# Altium PCB driver.PcbDoc
Units mm, origin at the board's own origin, x right, y up, seen from the top; angles counter-clockwise.
Board outline 100.28 x 50.27 mm, 2 copper layers (Top Layer, Bottom Layer), stack 0.771 mm thick; 123 components, 187 nets, 428 pads, 125 vias.
Unrouted connection lines stored in the file: 1.
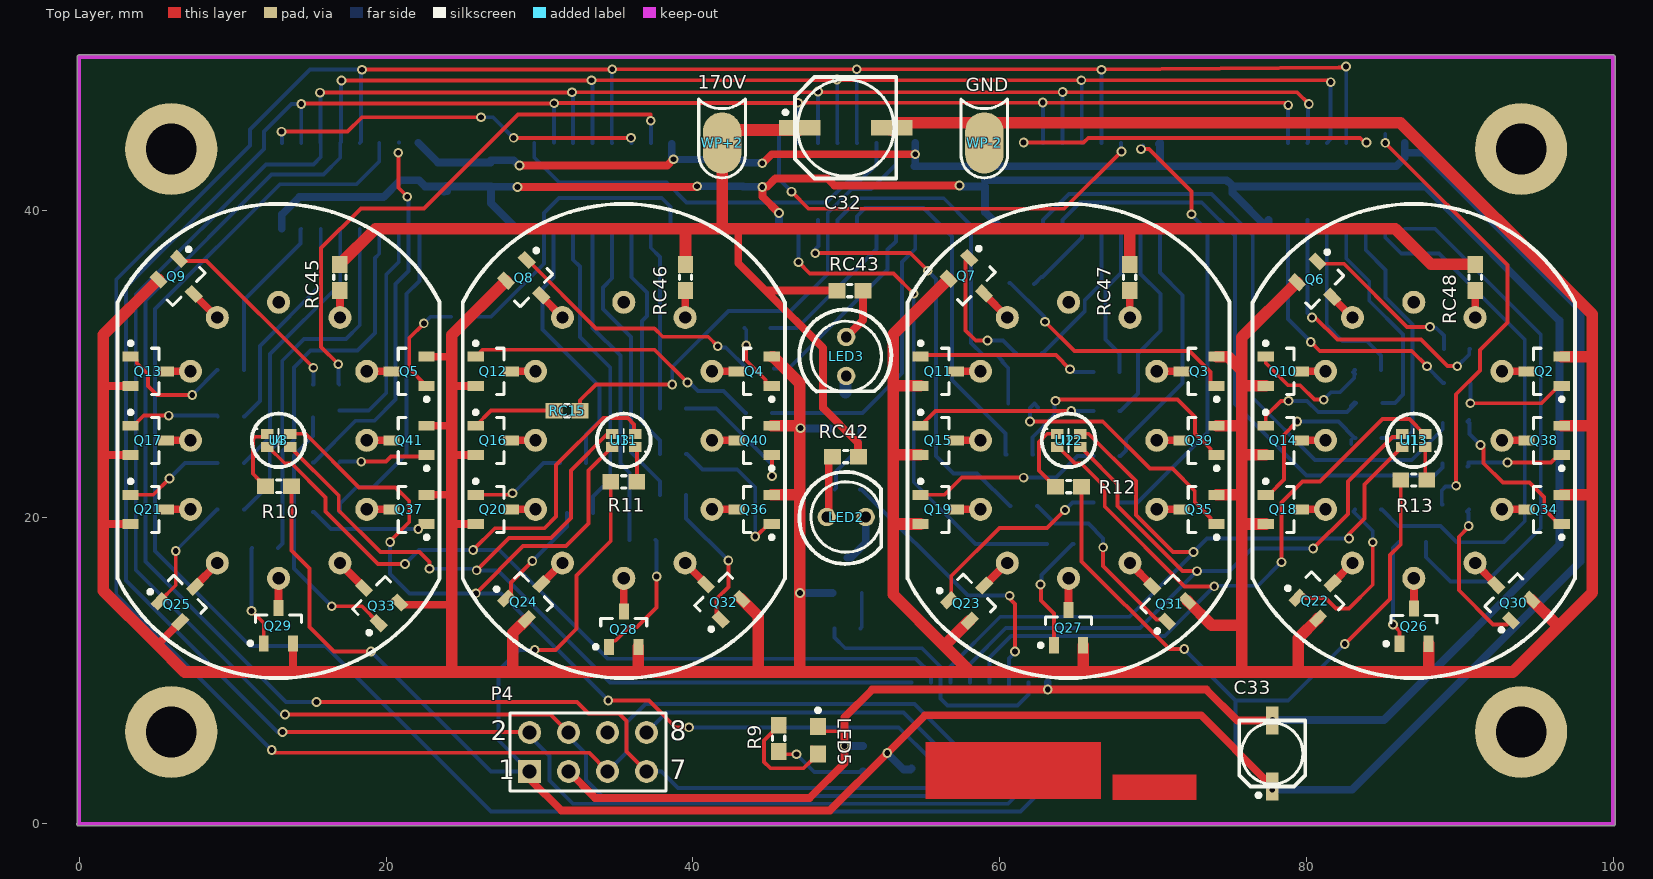
[diagram p0: Top Layer view]
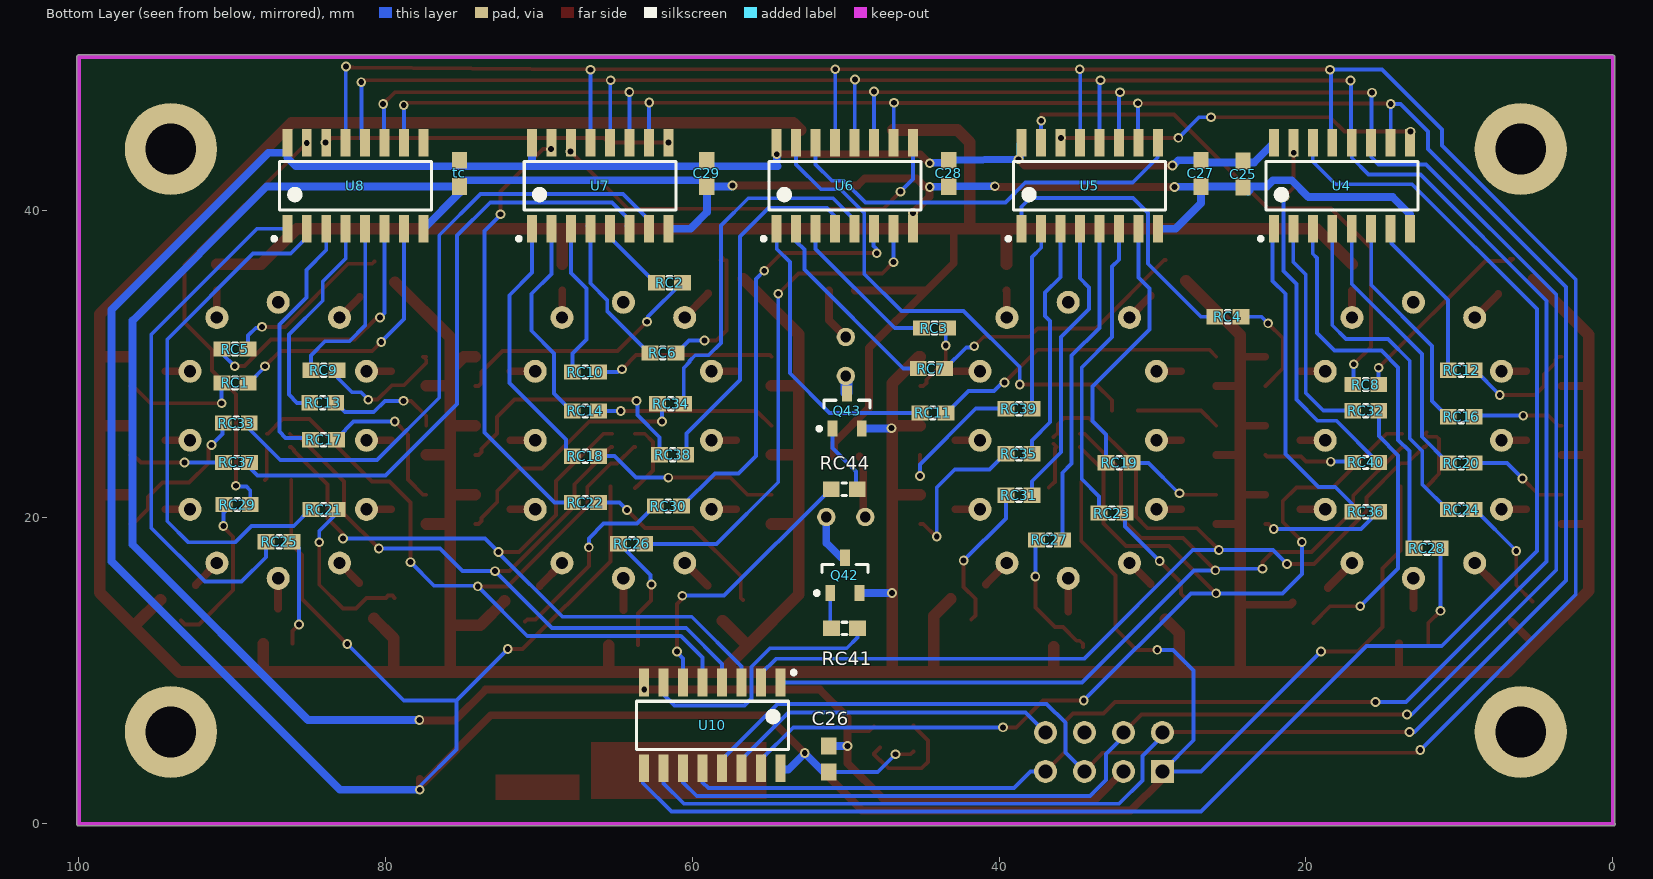
[diagram p1: Bottom Layer view, seen from below]
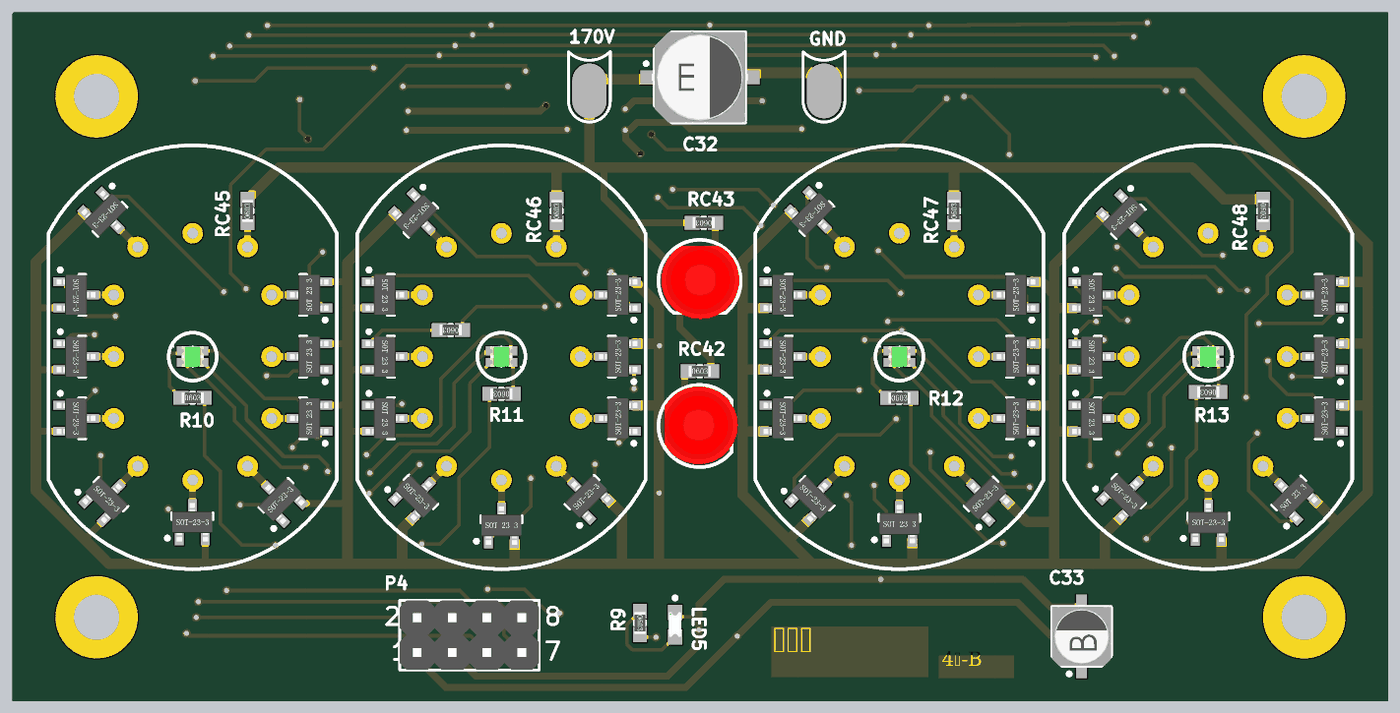
[diagram p2: 3D render of the assembled board from above, using the file's embedded part models]
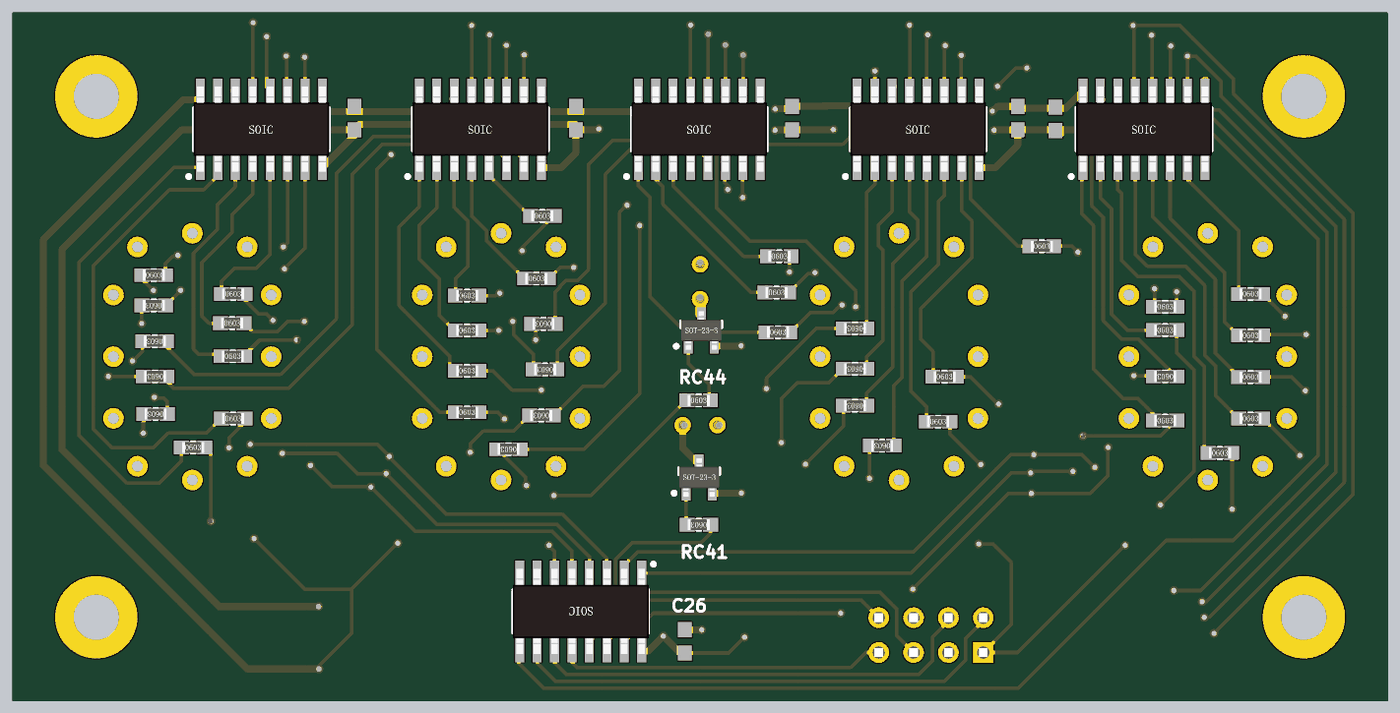
[diagram p3: 3D render of the assembled board from below, using the file's embedded part models]

## Layer stack, top to bottom
Top Solder: solder mask 0.0102, Solder Resist, Dk 3.5
Top Layer: signal copper 0.0356
Dielectric 1: dielectric 0.7, FR-4, Dk 4.8
Bottom Layer: signal copper 0.0356
Bottom Solder: solder mask 0.0102, Solder Resist, Dk 3.5

## Board outline
-0.025,-0.127 cw(c-0.025,0) -0.127,0.076 -0.127,50 cw(c0,50) -0.127,50.006 cw(c0,50.013) 0,50.14 100,50.14 cw(c100,50.013) 100.127,50.013 100.127,0 cw(c100,0) 99.987,-0.127 cw(c99.975,0) 99.975,-0.127

## Design rules (kind name [scope] priority, off if disabled: settings)
Clearance [All] p1: gap=0.178 ignorepadtopadclearanceinfootprint=FALSE
Height [All] p1: minheight=0 maxheight=50 prefheight=12.7
PolygonConnect [All] p1: connectstyle=Relief reliefconductorwidth=0.254 reliefentries=4 polygonreliefangle="90 Angle" airgapwidth=0.254
RoutingVias [All] p1: holewidth=0.381 width=0.305 viastyle="Through Hole" minholewidth=0.381 minwidth=0.635 maxholewidth=0.711 maxwidth=1.27
SolderMaskExpansion [All] p1: expansion=0.102
Width [All] p1: maxlimit=2.54 minlimit=0.203 preferedwidth=0.254
29 further rules are at their usual default settings.

## Classes and differential pairs
component class Sheet1: C25 C26 C27 C28 C29 C32 C33 I1 I2 LED2 LED3 LED5 P4 Q2 Q3 Q4 Q5 Q6 Q7 Q8 Q9 Q10 Q11 Q12 Q13 Q14 Q15 Q16 Q17 Q18 Q19 Q20 Q21 Q22 Q23 Q24 Q25 Q26 Q27 Q28 Q29 Q30 Q31 Q32 Q33 Q34 Q35 Q36 Q37 Q38 Q39 Q40 Q41 Q42 Q43 R9 R10 R11 R12 R13 RC1 RC2 RC3 RC4 RC5 RC6 RC7 RC8 RC9 RC10 RC11 RC12 RC13 RC14 RC15 RC16 RC17 RC18 RC19 RC20 RC21 RC22 RC23 RC24 RC25 RC26 RC27 RC28 RC29 RC30 RC31 RC32 RC33 RC34 RC35 RC36 RC37 RC38 RC39 RC40 RC41 RC42 RC43 RC44 RC45 RC46 RC47 RC48 tc U3 U4 U5 U6 U7 U8

## Components (designator, comment, footprint, x,y, rotation, side; value= is the part's Value field where it differs from the comment)
C25 "226" CAPC1608[0603] 24.105,42.367 r270 bottom
C26 "226" CAPC1608[0603] 51.105,4.242 r90 bottom
C27 "226" CAPC1608[0603] 26.848,42.418 r270 bottom
C28 "226" CAPC1608[0603] 43.282,42.418 r270 bottom
C29 "226" CAPC1608[0603] 59.055,42.418 r270 bottom
C32 "2.2uF" CAPS6.3 49.965,45.39 r0 top locked
C33 "10uF" CAPS4 77.775,4.597 r90 top locked
I1 "IN-12" Nixie_IN12-hole 87,25.013 r0 top
I2 "IN-12" Nixie_IN12-hole 64.5,25.013 r0 top
I3 "IN-12" Nixie_IN12-hole 35.5,25.013 r0 top
I4 "IN-12" Nixie_IN12-hole 13,25.013 r0 top
LED2 "LED 5R" LED-R5-H9-SINGLE-R 48.73,20.013 r0 top locked
LED3 "LED 5R" LED-R5-H9-SINGLE-R 50,31.75 r270 top locked
LED5 "Red" LEDC1608(0603) 48.158,5.461 r270 top
P4 "Header 4X2" HDR2X4 29.362,3.429 r0 top locked
Q2 "0.2A 400V" SOT23 95.5,29.513 r180 top
Q3 "0.2A 400V" SOT23 73,29.513 r180 top
Q4 "0.2A 400V" SOT23 44,29.513 r180 top
Q5 "0.2A 400V" SOT23 21.5,29.513 r180 top
Q6 "0.2A 400V" SOT23 80.874,35.179 r315 top
Q7 "0.2A 400V" SOT23 58.166,35.407 r315 top
Q8 "0.2A 400V" SOT23 29.312,35.28 r315 top
Q9 "0.2A 400V" SOT23 6.655,35.357 r315 top
Q10 "0.2A 400V" SOT23 78.5,29.513 r0 top
Q11 "0.2A 400V" SOT23 56,29.513 r0 top
Q12 "0.2A 400V" SOT23 27,29.513 r0 top
Q13 "0.2A 400V" SOT23 4.5,29.513 r0 top
Q14 "0.2A 400V" SOT23 78.5,25.013 r0 top
Q15 "0.2A 400V" SOT23 56,25.013 r0 top
Q16 "0.2A 400V" SOT23 27,25.013 r0 top
Q17 "0.2A 400V" SOT23 4.5,25.013 r0 top
Q18 "0.2A 400V" SOT23 78.5,20.513 r0 top
Q19 "0.2A 400V" SOT23 56,20.513 r0 top
Q20 "0.2A 400V" SOT23 27,20.513 r0 top locked
Q21 "0.2A 400V" SOT23 4.5,20.513 r0 top
Q22 "0.2A 400V" SOT23 80.899,14.884 r45 top
Q23 "0.2A 400V" SOT23 58.191,14.732 r45 top locked
Q24 "0.2A 400V" SOT23 29.312,14.833 r45 top locked
Q25 "0.2A 400V" SOT23 6.731,14.656 r45 top
Q26 "0.2A 400V" SOT23 87.02,12.903 r90 top
Q27 "0.2A 400V" SOT23 64.5,12.801 r90 top
Q28 "0.2A 400V" SOT23 35.5,12.7 r90 top
Q29 "0.2A 400V" SOT23 12.979,12.928 r90 top
Q30 "0.2A 400V" SOT23 93.193,14.757 r135 top
Q31 "0.2A 400V" SOT23 70.764,14.681 r135 top
Q32 "0.2A 400V" SOT23 41.681,14.808 r135 top
Q33 "0.2A 400V" SOT23 19.38,14.579 r135 top
Q34 "0.2A 400V" SOT23 95.5,20.513 r180 top
Q35 "0.2A 400V" SOT23 73,20.513 r180 top
Q36 "0.2A 400V" SOT23 44,20.513 r180 top
Q37 "0.2A 400V" SOT23 21.5,20.513 r180 top locked
Q38 "0.2A 400V" SOT23 95.5,25.013 r180 top
Q39 "0.2A 400V" SOT23 73,25.013 r180 top
Q40 "0.2A 400V" SOT23 44,25.013 r180 top
Q41 "0.2A 400V" SOT23 21.5,25.013 r180 top
Q42 "0.2A 400V" SOT23 50.063,16.205 r90 bottom
Q43 "0.2A 400V" SOT23 49.911,26.924 r90 bottom
R9 "1k" RESC1608[0603] 45.593,5.588 r270 top
R10 "620R" RESC1608[0603] 13,22.013 r0 top
R11 "620R" RESC1608[0603] 35.5,22.301 r180 top
R12 "620R" RESC1608[0603] 64.5,21.996 r0 top
R13 "620R" RESC1608[0603] 87,22.428 r180 top
RC1 "4.7K" RESC1608[0603] 89.814,28.753 r0 bottom
RC2 "4.7K" RESC1608[0603] 61.493,35.28 r180 bottom
RC3 "4.7K" RESC1608[0603] 44.221,32.334 r180 bottom
RC4 "4.7K" RESC1608[0603] 25.095,33.071 r180 bottom
RC5 "4.7K" RESC1608[0603] 89.814,30.962 r180 bottom
RC6 "4.7K" RESC1608[0603] 61.925,30.708 r180 bottom
RC7 "4.7K" RESC1608[0603] 44.425,29.692 r180 bottom
RC8 "4.7K" RESC1608[0603] 16.104,28.651 r180 bottom
RC9 "4.7K" RESC1608[0603] 84.023,29.591 r180 bottom
RC10 "4.7K" RESC1608[0603] 66.98,29.464 r180 bottom
RC11 "4.7K" RESC1608[0603] 44.323,26.797 r180 bottom
RC12 "4.7K" RESC1608[0603] 9.881,29.591 r180 bottom
RC13 "4.7K" RESC1608[0603] 84.099,27.457 r180 bottom
RC14 "4.7K" RESC1608[0603] 66.98,26.924 r180 bottom
RC15 "4.7K" RESC1608[0603] 31.801,26.949 r180 top
RC16 "4.7K" RESC1608[0603] 9.881,26.56 r180 bottom
RC17 "4.7K" RESC1608[0603] 84.049,25.044 r180 bottom
RC18 "4.7K" RESC1608[0603] 66.98,23.977 r180 bottom
RC19 "4.7K" RESC1608[0603] 32.182,23.546 r180 bottom
RC20 "4.7K" RESC1608[0603] 9.881,23.529 r180 bottom
RC21 "4.7K" RESC1608[0603] 84.023,20.498 r180 bottom
RC22 "4.7K" RESC1608[0603] 66.98,20.955 r180 bottom
RC23 "4.7K" RESC1608[0603] 32.651,20.269 r180 bottom
RC24 "4.7K" RESC1608[0603] 9.881,20.498 r180 bottom
RC25 "4.7K" RESC1608[0603] 86.944,18.389 r180 bottom
RC26 "4.7K" RESC1608[0603] 63.957,18.262 r0 bottom
RC27 "4.7K" RESC1608[0603] 36.728,18.516 r0 bottom
RC28 "4.7K" RESC1608[0603] 12.116,17.983 r180 bottom
RC29 "4.7K" RESC1608[0603] 89.676,20.828 r0 bottom
RC30 "4.7K" RESC1608[0603] 61.57,20.726 r0 bottom
RC31 "4.7K" RESC1608[0603] 38.71,21.437 r0 bottom
RC32 "4.7K" RESC1608[0603] 16.104,26.949 r180 bottom
RC33 "4.7K" RESC1608[0603] 89.738,26.136 r0 bottom
RC34 "4.7K" RESC1608[0603] 61.417,27.406 r0 bottom
RC35 "4.7K" RESC1608[0603] 38.71,24.13 r0 bottom
RC36 "4.7K" RESC1608[0603] 16.104,20.345 r180 bottom
RC37 "4.7K" RESC1608[0603] 89.713,23.571 r0 bottom
RC38 "4.7K" RESC1608[0603] 61.29,24.079 r0 bottom
RC39 "4.7K" RESC1608[0603] 38.71,27.076 r0 bottom
RC40 "4.7K" RESC1608[0603] 16.104,23.571 r0 bottom
RC41 "4.7K" RESC1608[0603] 50.089,12.751 r0 bottom
RC42 "200k" RESC1608[0603] 49.962,23.952 r0 top
RC43 "200k" RESC1608[0603] 50.241,34.772 r180 top
RC44 "4.7K" RESC1608[0603] 50.102,21.818 r180 bottom
RC45 "20k" RESC1608[0603] 16.993,35.636 r90 top
RC46 "20k" RESC1608[0603] 39.522,35.636 r90 top
RC47 "20k" RESC1608[0603] 68.478,35.636 r90 top
RC48 "20k" RESC1608[0603] 91.008,35.636 r270 top
tc "226" CAPC1608[0603] 75.184,42.418 r270 bottom
U3 "LED_RGB" LED-RGB-0603 13,25.013 r0 top
U4 "SN74HC595N" SOIC16 17.653,41.605 r90 bottom
U5 "SN74HC595N" SOIC16 34.106,41.605 r90 bottom
U6 "SN74HC595N" SOIC16 50.059,41.605 r90 bottom locked
U7 "SN74HC595N" SOIC16 66.013,41.605 r90 bottom locked
U8 "SN74HC595N" SOIC16 81.966,41.605 r90 bottom locked
U10 "SN74HC595N" SOIC16 58.699,6.426 r270 bottom locked
U11 "LED_RGB" LED-RGB-0603 35.5,25.013 r180 top
U12 "LED_RGB" LED-RGB-0603 64.5,25.013 r0 top
U13 "LED_RGB" LED-RGB-0603 87,25.013 r180 top
WP+2 "170V" WirePadSingleSide 14.56,44.399 r180 top
WP-2 "GND" WirePadSingleSide 31.654,44.399 r180 top

## Footprints (in the part's own frame and the unit in brackets; to place one, negate y for a bottom-side part, rotate by r counter-clockwise, add the part's x,y. Pads: shape width x height; smd on the part's side, far side on the other; paste and mask are expansions set on the pad)
CAPC1608[0603] [mm] "Chip Capacitor, 2-Leads, Body 1.60x0.80mm, IPC Medium Density"
  rect 1.1x1 smd: 1(-0.85,0) 2(0.85,0)
  body extent -0.88,-0.48 0.87,0.47, height 0.85
CAPS4 [mm] "Solid Electorlytic Capacitor, B-type Footprint, 4mm Diameter, 5.5mm Height"
  rect 1.8x0.8 smd: 1(-2.15,0) 2(2.15,0)
  silkscreen extent -2.85,-2.15 2.15,2.15, body extent -2.29,-2.16 2.31,2.14, height 5.2
CAPS6.3 [mm] "Solid Electorlytic Capacitor, E-type Footprint, 6.3mm Diameter, 5.5mm Height"
  rect 2.7x1 smd: 1(-3,0) 2(3,0)
  silkscreen extent -4.05,-3.3 3.3,3.3, body extent -3.5,-3.3 3.5,3.3, height 5.2
HDR2X4 [mm] "Connector; Header; 4x2 Position"
  rect 1.5x1.5 hole 0.9: 1(0,0)
  round 1.5 hole 0.9: 2(0,2.54) 3(2.54,0) 4(2.54,2.54) 5(5.08,0) 6(5.08,2.54) 7(7.62,0) 8(7.62,2.54)
  silkscreen extent -1.27,-1.27 8.89,3.81, body extent -1.27,-1.27 8.89,3.81, height 8.54
LED-R5-H9-SINGLE-R [mm]
  round 1.2 hole 0.7: 1(0,0) 2(2.54,0)
  silkscreen extent -1.78,-3.06 3.57,2.94, body extent -1.36,-2.85 3.99,2.85, height 1.5
LED-RGB-0603 [mm]
  rect 0.8x0.65 smd: 1(-0.75,0.425) 2(0.75,0.425) 3(-0.75,-0.425) 4(0.75,-0.425)
  silkscreen extent -1.42,-0.75 0,0.76, body extent -0.8,-0.75 0.8,0.75, height 0.55
LEDC1608(0603) [mm] "LED,Chip;1.60mm L X 0.80mm W X 0.80mm H"
  rect 1.1x1.05 smd: A(0.9,0) C(-0.9,0)
  silkscreen extent -2.07,-0.12 -1.83,0.13, body extent -0.9,-0.45 0.9,0.45, height 0.8
Nixie_IN12-hole [mm]
  round 1.5 hole 0.8: 1(4,8) 2(5.75,4.5) 3(5.75,0) 4(5.75,-4.5) 5(4,-8) 6(0,-9) 7(-4,-8) 8(-5.75,-4.5) 9(-5.75,0) 10(-5.75,4.5) 11(-4,8) 12(0,9)
  silkscreen extent -10.5,-15.5 10.5,15.42
RESC1608[0603] [mm] "Chip Resistor, 2-Leads, Body 1.60x0.82mm, IPC Medium Density"
  rect 1.1x1 smd: 1(-0.85,0) 2(0.85,0)
  silkscreen extent -0.15,-0.4 0.15,0.4, body extent -0.8,-0.4 0.8,0.4, height 0.45
SOIC16 [mm] "SOIC,1.27mm pitch;16 pin,3.90mm W X 9.90mm L X 1.65mm H body"
  rect 1.8x0.65 smd: 1(-2.8,4.445) 2(-2.8,3.175) 3(-2.8,1.905) 4(-2.8,0.635) 5(-2.8,-0.635) 6(-2.8,-1.905) 7(-2.8,-3.175) 8(-2.8,-4.445) 9(2.8,-4.445) 10(2.8,-3.175) 11(2.8,-1.905) 12(2.8,-0.635) 13(2.8,0.635) 14(2.8,1.905) 15(2.8,3.175) 16(2.8,4.445)
  silkscreen extent -3.57,-4.95 1.58,5.43, body extent -3.11,-4.95 3.11,4.95, height 1.75
SOT23 [mm] "SOT23, 3-Leads, Body 2.90x2.40mm, Pitch 0.95mm, IPC Medium Density"
  rect 1.05x0.65 smd: 1(-1.15,0.95) 2(-1.15,-0.95) 3(1.15,0)
  silkscreen extent -1.28,-1.5 0.7,1.95, body extent -1.4,-1.45 1.4,1.45, height 1.2
WirePadSingleSide [mm] "A single-side pad for soldering wire."
  oval 2.5x4 smd: 1(-27.35,0)
  silkscreen extent -28.87,-2.88 -25.83,2.27

## Part data
C25 C26 C27 C28 C29 tc: library part "Cap Chip 1", "Chip Capacitor, PSpice Model", Tolerance=Y5V, Voltage=3V, Price(RMB)=0.000, Published=8-Jun-2000, Publisher="Altium Limited", Revision="July-2002: Re-released for DXP Platform."
C32: library part "Cap Solid", "Polarized Capacitor (Radial)", Voltage=400V, Price(RMB)=0.000, Published=8-Jun-2000, Publisher="Altium Limited", Revision="July-2002: Re-released for DXP Platform."
C33: library part "Cap Solid", "Polarized Capacitor (Radial)", Voltage=16V, Price(RMB)=0.000, Published=8-Jun-2000, Publisher="Altium Limited", Revision="July-2002: Re-released for DXP Platform."
I1 I2 I3 I4: library part IN12
LED2 LED3: "Red, 5mm, Typical INFRARED GaAs LED", Price(RMB)=0.00, Published=8-Jun-2000, Publisher="Altium Limited", Revision="July-2002: Re-released for DXP Platform."
LED5: library part "LED Chip", "Typical Chip LED", Color=Red, Price(RMB)=0.00, Published=8-Jun-2000, Publisher="Altium Limited", Revision="July-2002: Re-released for DXP Platform."
P4: "Header, 4-Pin, Dual row", LatestRevisionDate=17-Jul-2002, LatestRevisionNote="Re-released for DXP Platform.", Price(RMB)=0.00, Publisher="Altium Limited"
Q2 Q3 Q4 Q5 Q6 Q7 Q8 Q9 Q10 Q11 Q12 Q13 Q14 Q15 Q16 Q17 Q18 Q19 Q20 Q21 Q22 Q23 Q24 Q25 Q26 Q27 Q28 Q29 Q30 Q31 Q32 Q33 Q34 Q35 Q36 Q37 Q38 Q39 Q40 Q41 Q42 Q43: library part "NPN SMC SOT-23", "NPN Bipolar Transistor", PartNumber="0.2A 400V", Price(RMB)=0.000, Published=8-Jun-2000, Publisher="Altium Limited", Revision="July-2002: Re-released for DXP Platform."
R9 R10 R11 R12 R13 RC1 RC2 RC3 RC4 RC5 RC6 RC7 RC8 RC9 RC10 RC11 RC12 RC13 RC14 RC15 RC16 RC17 RC18 RC19 RC20 RC21 RC22 RC23 RC24 RC25 RC26 RC27 RC28 RC29 RC30 RC31 RC32 RC33 RC34 RC35 RC36 RC37 RC38 RC39 RC40 RC41 RC42 RC43 RC44 RC45 RC46 RC47 RC48: library part "Res Chip 2p 1", "Chip Resistor, PSpice Model, IPC PCB Library Drawing", Tolerance=5%, Price(RMB)=0.000, Published=8-Jun-2000, Publisher="Altium Limited", Revision="July-2002: Re-released for DXP Platform.", TC1=0, TC2=0
U4 U5 U6 U7 U8 U10: "8-Bit Shift Register with 3-State Output Registers", Code_JEDEC=MS-001-BB, ComponentLink1Description="Manufacturer Link", ComponentLink1URL=http://www.ti.com/, ComponentLink2Description=Datasheet, ComponentLink2URL=http://www-s.ti.com/sc/ds/sn74hc595.pdf, DatasheetVersion=May-1997, LatestRevisionDate=04-Mar-2005, LatestRevisionNote="Stylized 3D Model Added.", PackageDescription="DIP; 16 Leads; Row Spacing 7.62 mm; Pitch 2.54 mm", PackageReference=N016, PackageVersion=Oct-1995, Price(RMB)=0.00, Published=8-Jun-2000, Publisher="Altium Limited"
WP+2 WP-2: library part "Wire Pad", "Wire soldering pad.", Price(RMB)=0.000

## Free pads (board coordinates)
  round 6 hole 3.3: 15(6,6) 15(6,44) 15(94,6) 15(94,44)

## Via types
v1: diameter 0.635, hole 0.381, Top Layer to Bottom Layer, tented both sides, 125 vias

## Nets (pads, with @x,y where several pads share a name; then routed paths per layer and width w, separated by ;. In a path a pad name is that pad's centre, name@x,y a point inside that pad or via, vN(x,y) a via of type N, cw(c..) or ccw(c..) an arc to the next point about the centre after c; other vN are vias at no path point)
1_N0: I1.2 Q2.3 | length 1.6
  Top Layer w0.508: I1.2 Q2.3
1_N1: I1.11 Q6.3 | length 1.9
  Top Layer w0.508: Q6.3 81.687,34.346 83,33.032 I1.11
1_N2: I1.10 Q10.3 | length 1.6
  Top Layer w0.508: Q10.3 I1.10
1_N3: I1.9 Q14.3 | length 1.6
  Top Layer w0.508: Q14.3 I1.9
1_N4: I1.8 Q18.3 | length 1.6
  Top Layer w0.508: Q18.3 I1.8
1_N5: I1.7 Q22.3 | length 1.8
  Top Layer w0.508: Q22.3 81.712,15.711 83,16.999 I1.7
1_N6: I1.6 Q26.3 | length 2
  Top Layer w0.508: I1.6 87.01,16.002 87.01,14.063 Q26.3
1_N7: I1.5 Q30.3 | length 2
  Top Layer w0.508: I1.5 91,16.981 92.379,15.602 Q30.3
1_N8: I1.4 Q34.3 | length 1.6
  Top Layer w0.508: I1.4 Q34.3
1_N9: I1.3 Q38.3 | length 1.6
  Top Layer w0.508: I1.3 Q38.3
2_N0: I2.2 Q3.3 | length 1.6
  Top Layer w0.508: I2.2 Q3.3
2_N1: I2.11 Q7.3 | length 2.2
  Top Layer w0.508: Q7.3 58.979,34.564 60.5,33.043 I2.11
2_N2: I2.10 Q11.3 | length 1.6
  Top Layer w0.508: Q11.3 I2.10
2_N3: I2.9 Q15.3 | length 1.6
  Top Layer w0.508: Q15.3 I2.9
2_N4: I2.8 Q19.3 | length 1.6
  Top Layer w0.508: Q19.3 I2.8
2_N5: I2.7 Q23.3 | length 2.1
  Top Layer w0.508: Q23.3 59.018,15.545 60.486,17.013 I2.7
2_N6: I2.6 Q27.3 | length 2.1
  Top Layer w0.508: Q27.3 I2.6
2_N7: I2.5 Q31.3 | length 2.1
  Top Layer w0.508: I2.5 68.5,16.979 69.951,15.528 Q31.3
2_N8: I2.4 Q35.3 | length 1.6
  Top Layer w0.508: I2.4 Q35.3
2_N9: I2.3 Q39.3 | length 1.6
  Top Layer w0.508: I2.3 Q39.3
3_N0: I3.2 Q4.3 | length 1.6
  Top Layer w0.508: I3.2 Q4.3
3_N1: I3.11 Q8.3 | length 2
  Top Layer w0.508: Q8.3 30.125,34.428 31.5,33.052 I3.11
3_N2: I3.10 Q12.3 | length 1.6
  Top Layer w0.508: Q12.3 I3.10
3_N3: I3.9 Q16.3 | length 1.6
  Top Layer w0.508: Q16.3 I3.9
3_N4: I3.8 Q20.3 | length 1.6
  Top Layer w0.508: Q20.3 I3.8
3_N5: I3.7 Q24.3 | length 1.9
  Top Layer w0.508: Q24.3 30.129,15.647 31.495,17.013 I3.7
3_N6: I3.6 Q28.3 | length 2.2
  Top Layer w0.508: Q28.3 I3.6
3_N7: I3.5 Q32.3 | length 2
  Top Layer w0.508: I3.5 39.5,17.001 40.868,15.633 Q32.3
3_N8: I3.4 Q36.3 | length 1.6
  Top Layer w0.508: I3.4 Q36.3
3_N9: I3.3 Q40.3 | length 1.6
  Top Layer w0.508: I3.3 Q40.3
4_N0: I4.2 Q5.3 | length 1.6
  Top Layer w0.508: I4.2 Q5.3
4_N1: I4.11 Q9.3 | length 2.2
  Top Layer w0.508: Q9.3 I4.11
4_N2: I4.10 Q13.3 | length 1.6
  Top Layer w0.508: Q13.3 I4.10
4_N3: I4.9 Q17.3 | length 1.6
  Top Layer w0.508: Q17.3 I4.9
4_N4: I4.8 Q21.3 | length 1.6
  Top Layer w0.508: Q21.3 I4.8
4_N5: I4.7 Q25.3 | length 2.1
  Top Layer w0.508: Q25.3 7.544,15.513 9,16.969 I4.7
4_N6: I4.6 Q29.3 | length 1.9
  Top Layer w0.508: Q29.3 12.99,14.089 12.99,16.002 I4.6
4_N7: I4.5 Q33.3 | length 2.3
  Top Layer w0.508: I4.5 17,16.986 18.567,15.419 Q33.3
4_N8: I4.4 Q37.3 | length 1.6
  Top Layer w0.508: I4.4 Q37.3
4_N9: I4.3 Q41.3 | length 1.6
  Top Layer w0.508: I4.3 Q41.3
32kHz: 
+3.3V: C25.1 C26.1 C27.1 C28.1 C29.1 C33.1 P4.1 R9.2 R10.2 R11.2 R12.2 R13.2 tc.1 U4.16 U5.16 U6.16 U7.16 U8.16 U10.16 | length 293
  Top Layer w0.254: R10.2 13.85,17.827 15.011,16.665 15.011,12.852 16.612,11.252 v1(19.025,11.252) ; v1(29.693,11.354) 31.039,11.354 32.41,12.725 32.41,16.207 34.65,18.446 R11.2 ; R9.2 45.784,4.546 v1(46.761,4.546) ; R12.2 65.35,17.124 71.069,11.404 v1(72.034,11.404) ; v1(82.499,11.735) 82.525,11.735 85.446,14.656 85.446,17.526 86.15,18.23 R13.2
  Top Layer w0.508: v1(28.702,42.926) 38.329,42.926 v1(38.735,43.332) ; P4.1 29.413,3.378 29.413,2.895 31.42,0.889 48.946,0.889 v1(52.68,4.623) 55.143,7.086 73.136,7.086 77.525,2.697 77.775,2.947 C33.1 v1(77.775,2.229) ; v1(44.526,43.078) 44.561,43.078 45.146,43.663 v1(54.504,43.663)
  Bottom Layer w0.254: v1(19.025,11.252) 26.848,3.429 P4.1 27.33,5.461 27.33,10.007 28.677,11.354 v1(29.693,11.354) ; v1(46.761,4.546) 47.916,3.392 C26.1 ; U7.16@70.434,44.382 U7.16 ; v1(72.034,11.404) 75.387,8.052 ; v1(77.775,2.229) 77.775,2.464 75.387,4.851 75.387,8.052 ; v1(82.499,11.735) 78.816,8.052 75.387,8.052
  Bottom Layer w0.508: U4.16 23.374,43.129 C27.1@26.822,43.129 ; C27.1 28.326,43.268 28.668,42.926 v1(28.702,42.926) ; U5.16@38.622,44.334 38.622,43.479 38.735,43.367 v1(38.735,43.332) C28.1 43.447,43.102 44.502,43.102 v1(44.526,43.078) ; C26.1 51.105,3.442 51.295,3.251 51.308,3.251 v1(52.68,4.623) ; v1@52.717,4.585 53.755,3.547 54.183,3.547 54.254,3.618 U10.16 ; U6.16 v1(54.504,43.663) 54.504,42.922 54.458,42.875 59.055,42.875 70.536,42.875 ; U7.16@70.387,44.334 U7.16@70.434,44.382 ; U7.16 70.458,42.953 70.536,42.875 ; v1(77.775,2.229) 82.975,2.229 97.866,17.119 97.866,33.528 87.635,43.759 86.482,43.759 U8.16@86.411,43.83 ; U8.16 U8.16@86.411,43.83 ; 70.536,42.875 75.184,42.875 85.852,42.875 86.411,43.434 U8.16@86.411,43.83
+12: 
+170: C32.1 RC42.2 RC43.2 RC45.2 RC46.2 RC47.2 RC48.1 WP+2.1 | length 114.7
  Top Layer w0.508: RC45.2 RC45.2@16.993,36.536 ; 39.497,38.811 39.522,38.786 ; 42.965,38.747 42.965,36.562 44.755,34.772 ; 46.838,38.811 46.948,38.922 ; RC43.2 44.755,34.772 ; 50.736,38.797 50.749,38.811 ; RC42.2 50.762,23.952 50.762,24.854 48.489,27.127 48.489,31.039 44.755,34.772 ; 68.478,38.786 68.504,38.811
  Top Layer w0.762: RC45.2 19.318,38.811 39.497,38.811 41.859,38.811 ; RC46.2 39.522,38.786 ; 42.965,38.747 42.901,38.811 ; C32.1@46.948,45.237 42.713,45.237 41.91,44.434 WP+2.1 41.91,38.862 41.859,38.811 ; RC47.2 68.478,38.786 ; RC48.1 88.126,36.486 85.801,38.811 68.504,38.811 50.749,38.811 46.838,38.811 42.901,38.811 ; 41.859,38.811 42.901,38.811
_1_N0: RC1.1 U8.7 | length 17.8
  Top Layer w0.254: v1(80.289,31.42) 80.874,30.835 86.868,30.835 v1(87.859,29.845)
  Bottom Layer w0.254: U8.7 78.791,32.918 v1(80.289,31.42) ; v1(87.859,29.845) 87.859,29.808 88.914,28.753 RC1.1
_1_N1: RC5.1 U8.6 | length 18.8
  Top Layer w0.254: v1(80.366,33.02) 80.569,33.02 82.017,31.572 87.478,31.572 89.205,29.845 v1(89.84,29.845)
  Bottom Layer w0.254: U8.6@80.061,39.38 U8.6 80.061,33.325 v1(80.366,33.02) ; v1(89.84,29.845) 90.614,30.619 90.614,30.962 RC5.1
_1_N2: RC9.1 U8.5 | length 11.6
  Bottom Layer w0.254: U8.5 81.331,32.486 82.347,31.47 83.947,31.47 84.873,30.544 RC9.1